# Altium PCB JS.Y1813.MCU.V1.0.PcbDoc (part 2 of 2)
Units mm, origin at the board's own origin, x right, y up, seen from the top; angles counter-clockwise.
Board outline 125 x 78 mm, 2 copper layers (Top Layer, Bottom Layer); 192 components, 124 nets, 655 pads, 279 vias.
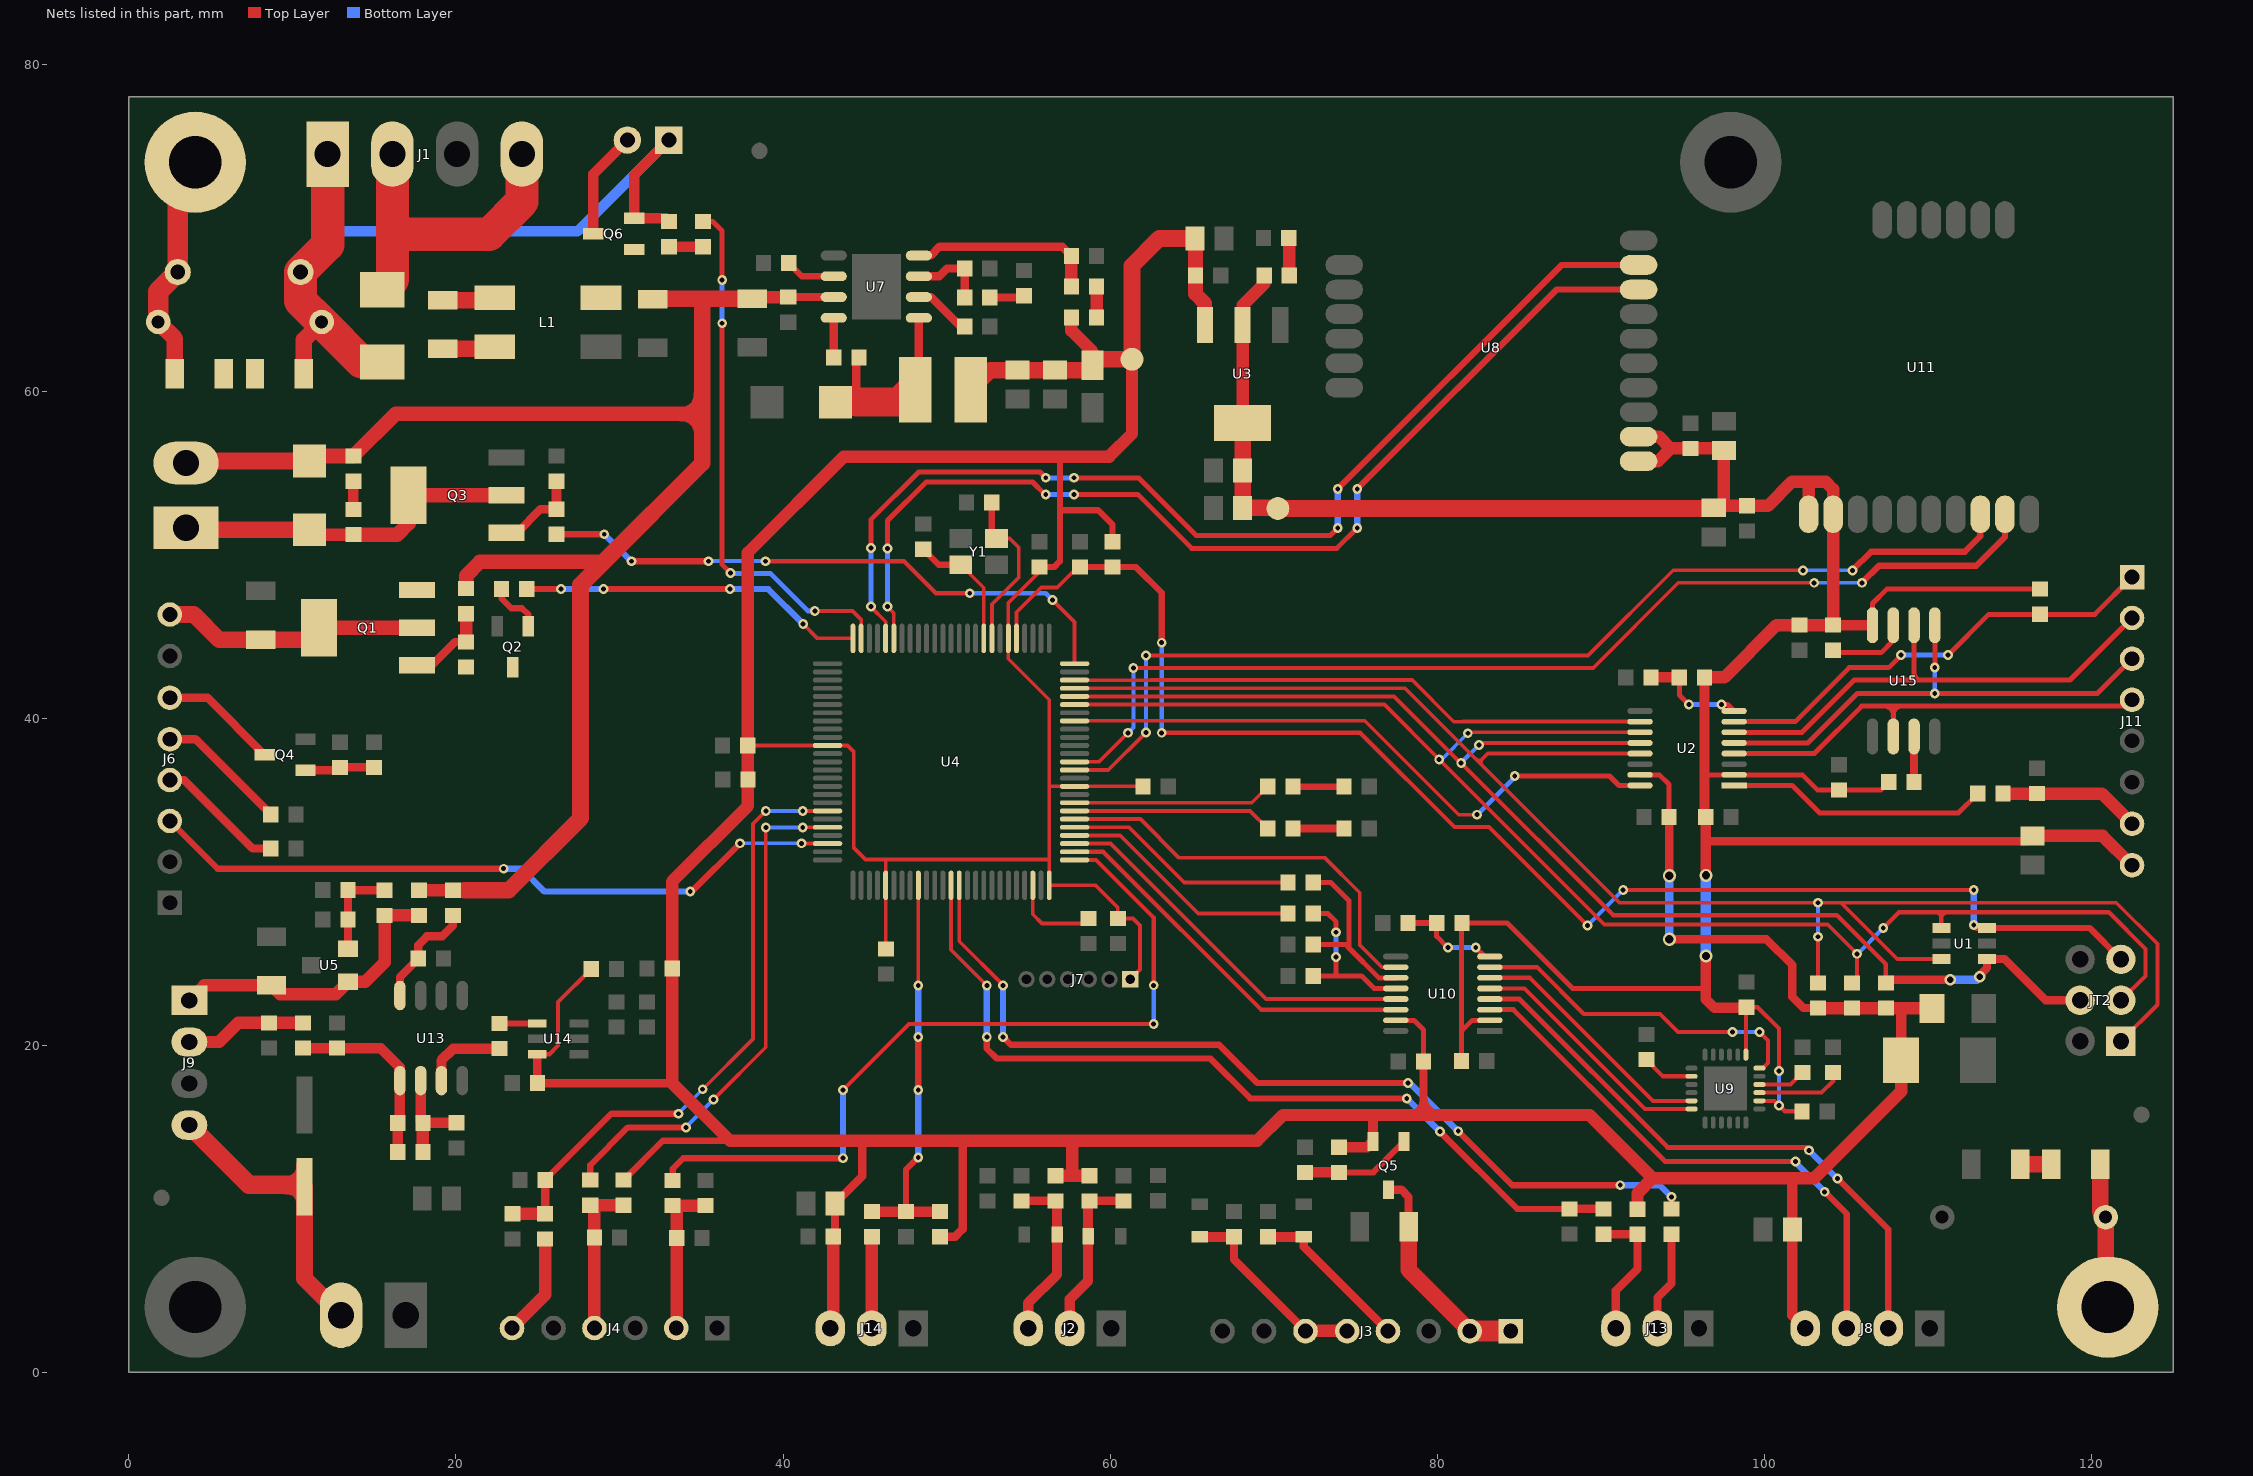
[diagram p2: the nets of this part, all layers, seen from the top]

## Via types
v1: diameter 0.6, hole 0.3, Top Layer to Bottom Layer, 169 vias
v2: diameter 0.7, hole 0.4, Top Layer to Bottom Layer, 88 vias
v3: diameter 0.8, hole 0.5, Top Layer to Bottom Layer, 22 vias

## Nets (pads, with @x,y where several pads share a name; then routed paths per layer and width w, separated by ;. In a path a pad name is that pad's centre, name@x,y a point inside that pad or via, vN(x,y) a via of type N, cw(c..) or ccw(c..) an arc to the next point about the centre after c; other vN are vias at no path point) (continued)
MCU_MISO: JT2.1 R42.2 U1.6 U2.13 U4.22 | length 103.3
  Top Layer w0.152: 82.404,37.512 ccw(c82.557,37.69) 82.734,37.538 ; 82.76,37.462 ccw(c82.938,37.309) 82.785,37.131
  Top Layer w0.229: U4.22@57.823,41.838 78.027,41.838 82.874,36.991 91.141,28.724 v1(103.283,28.724) 104.68,28.724 ; 82.874,36.992 82.557,37.309 83.092,37.845 U2.13@92.402,37.845 ; R42.2@103.28,23.823 103.28,26.638 v1(103.283,26.641) ; U1.6@110.82,25.278 108.126,25.278 104.68,28.724 ; 124.035,22.487 124.035,26.209 121.52,28.724 104.68,28.724
  Top Layer w0.254: JT2.1@121.807,20.259 124.035,22.487
  Bottom Layer w0.229: v1(103.283,26.641) v1(103.283,28.724)
MCU_MISO_OUT: J11.4 U2.4 U15.2 | length 29.3
  Top Layer w0.152: 107.244,40.664 cw(c107.343,40.206) 107.808,40.27 cw(c107.343,40.206) 107.808,40.142 cw(c107.343,40.206) 107.806,40.13 ; 107.957,40.103 cw(c108.415,40.202) 108.401,40.671
  Top Layer w0.305: U2.4@98.152,37.845 103.056,37.845 105.95,40.738 107.88,40.738 ; U15.2@107.88,38.894 U15.2@107.884,38.891 107.884,40.735 107.88,40.738 ; J11.4@122.485,41.136 122.087,40.738 107.88,40.738
MCU_MOSI: JT2.4 R43.2 U1.1 U2.12 U4.21 | length 83
  Top Layer w0.254: U4.21@57.823,41.338 77.359,41.338 v1@81.452,37.246 ; v1(81.464,37.258) 90.761,27.962 104.426,27.962 107.423,24.965 107.423,23.845 R43.2@107.445,23.823 R43.2@107.449,23.827 ; v1(82.557,38.376) 82.675,38.495 U2.12@92.402,38.495 U2.12@92.348,38.549
  Top Layer w0.508: R43.2@107.449,23.827 107.64,24.018 v2(111.357,24.018) ; v2(113.186,24.196) 113.186,24.298 113.62,24.733 U1.1@113.62,25.278 114.694,25.278 117.213,22.759 JT2.4@119.307,22.759
  Bottom Layer w0.254: v1(81.464,37.258) 81.464,37.284 v1(82.557,38.376)
  Bottom Layer w0.508: v2(111.357,24.018) 113.008,24.018 v2(113.186,24.196)
MCU_MOSI_OUT: J11.3 U2.5 U15.5 | length 30.6
  Top Layer w0.305: U2.5@98.152,38.495 102.665,38.495 105.696,41.526 v1(110.42,41.526) 120.375,41.526 J11.3@122.485,43.636 ; v1(110.42,43.1) 110.424,43.104 U15.5@110.424,45.691
  Bottom Layer w0.305: v1(110.42,41.526) v1(110.42,43.1)
MCU_ORI_GPIO_SCK: R16.2 U4.5 | length 14.5
  Top Layer w0.229: U4.5@57.823,33.338 61.153,33.338 64.531,29.961 R16.2@70.882,29.961
MCU_ORI_GPIO_SDA: R19.2 U4.4 | length 15
  Top Layer w0.229: U4.4@57.823,32.838 60.612,32.838 65.392,28.058 R19.2@70.882,28.058
MCU_RESET: C14.2 JT2.5 R17.1 U1.3 U4.30 | length 88.3
  Top Layer w0.229: U4.30@54.273,44.888 54.273,46.491 55.785,48.003 56.769,48.003 58.02,49.253 C14.2@58.158,49.253
  Top Layer w0.254: v1(63.151,39.113) 75.292,39.113 81.058,33.347 83.166,33.347 v1(89.186,27.327) ; v1(91.37,29.511) v1(112.808,29.511)
  Top Layer w0.381: C14.2@58.158,49.253 R17.1@60.139,49.253 61.57,49.253 63.151,47.672 v1(63.151,44.624) v1@63.151,44.548 ; v1(112.808,27.352) 112.982,27.178 U1.3@113.62,27.178 119.888,27.178 JT2.5@121.807,25.259
  Bottom Layer w0.254: v1(63.151,39.113) v1@63.151,44.548 ; v1(89.186,27.327) v1(91.37,29.511)
  Bottom Layer w0.381: v1(112.808,27.352) v1(112.808,29.511)
MCU_SCK: JT2.3 R44.2 U1.4 U2.11 U4.20 | length 94.5
  Top Layer w0.152: 110.42,28.089 cw(c110.471,27.784) 110.776,27.835 ; 110.852,27.657 cw(c111.22,27.721) 111.157,28.089
  Top Layer w0.229: U4.20@57.823,40.838 76.767,40.838 v1(80.118,37.487) 90.215,27.39 103.88,27.39 v1(105.671,25.6) 105.671,24.131 R44.2@105.362,23.823 ; v1(81.871,39.087) 81.928,39.145 U2.11@92.402,39.145
  Top Layer w0.254: v1(107.271,27.175) 108.236,28.14 110.776,28.14 ; U1.4@110.82,27.178 110.82,28.095 110.776,28.14 ; JT2.3@121.807,22.759 123.298,24.25 123.298,25.905 121.063,28.14 110.776,28.14
  Bottom Layer w0.229: v1(80.118,37.487) 80.271,37.487 v1(81.871,39.087)
  Bottom Layer w0.254: v1(105.671,25.6) 105.696,25.6 v1(107.271,27.175)
MCU_SCK_OUT: J11.2 U2.6 U15.6 | length 32.2
  Top Layer w0.254: 108.693,42.364 ccw(c108.661,42.853) 109.151,42.833 ; 109.684,42.313 cw(c109.703,42.865) 109.536,42.338 cw(c109.703,42.865) 109.154,42.801 cw(c109.703,42.865) 109.151,42.833 ; 109.151,42.833 ccw(c108.661,42.853) 109.15,42.884 ccw(c109.703,42.865) 109.151,42.833
  Top Layer w0.305: U2.6@98.152,39.145 102.299,39.145 105.493,42.338 109.176,42.338 ; U15.6@109.154,45.691 109.154,42.801 109.154,42.36 109.176,42.338 ; J11.2@122.485,46.136 118.688,42.338 109.536,42.338 109.176,42.338
MCU_SS: U2.10 U4.23 | length 35.6
  Top Layer w0.229: U4.23@57.823,42.338 57.831,42.33 62.484,42.33 62.491,42.338 78.468,42.338 81.011,39.795 81.561,39.795 81.573,39.806 92.39,39.806 U2.10@92.402,39.795
MCU_SS_OUT: J11.1 R6.2 U2.7 | length 28
  Top Layer w0.305: U2.7@98.152,39.795 101.882,39.795 105.188,43.1 107.601,43.1 v1(108.363,43.862) ; v1(111.233,43.862) 113.732,46.361 R6.2@116.845,46.361 120.21,46.361 J11.1@122.485,48.636
  Bottom Layer w0.305: v1(108.363,43.862) v1(111.233,43.862)
MOT_EN: R48.2 U4.71 | length 31.9
  Top Layer w0.229: v1(35.744,16.684) 38.945,19.885 v1(38.945,33.321) ; v1(41.205,33.321) 41.222,33.338 U4.71@42.723,33.338
  Top Layer w0.381: R48.2@28.21,11.768 28.21,12.681 30.512,14.983 v1(34.068,14.983)
  Bottom Layer w0.229: v1(34.068,14.983) 34.068,15.008 v1(35.744,16.684) ; v1(38.945,33.321) v1(41.205,33.321)
MOT_FG: C4.2 R4.2 R45.2 U4.69 | length 38.4
  Top Layer w0.229: v1(35.084,17.319) 38.157,20.393 38.157,33.551 v1(38.945,34.337) ; v1(41.205,34.337) U4.69@42.723,34.338
  Top Layer w0.381: C4.2@25.457,11.774 29.504,15.821 v1(33.611,15.821)
  Top Layer w0.508: R4.2@25.451,9.711 25.457,9.717 C4.2@25.457,11.774
  Top Layer w0.762: R45.2@23.46,9.711 R4.2@25.451,9.711
  Bottom Layer w0.229: v1(33.611,15.821) 33.611,15.846 v1(35.084,17.319) ; v1(38.945,34.337) v1(41.205,34.337)
MOT_VSR: R3.2 U4.1 | length 49.1
  Top Layer w0.254: v1(43.669,17.269) 47.708,21.307 62.658,21.307 v1(62.662,21.311) ; U4.1@57.823,31.338 59.137,31.338 62.662,27.813 v1(62.662,23.673)
  Top Layer w0.381: R3.2@33.249,11.743 33.249,12.461 33.89,13.103 v1(43.669,13.103)
  Bottom Layer w0.254: v1@62.662,21.285 v1(62.662,21.311) v1(62.662,23.673)
  Bottom Layer w0.381: v1(43.669,13.103) v1(43.669,17.269)
NetC2_2: C2.2 J4.2 R3.1 R29.2 | length 9.6
  Top Layer w0.762: J4.2@33.452,2.732 J4.2@33.466,2.718 33.503,2.754 C2.2@33.503,8.22 33.503,9.949 R3.1@33.249,10.203 R29.2@35.265,10.203
NetC8_2: C8.2 R12.1 U2.8 | length 6.6
  Top Layer w0.305: R12.1@94.799,42.507 94.799,41.424 v1(95.384,40.84) ; v1(97.39,40.84) 97.757,40.84 U2.8@98.152,40.445
  Top Layer w0.635: C8.2@93.063,42.507 R12.1@94.799,42.507
  Bottom Layer w0.305: v1(95.384,40.84) v1(97.39,40.84)
NetC10_1: C10.1 J3.1 J3.2 Q5.3 | length 13.7
  Top Layer w0.508: Q5.3@77.02,11.176 77.804,11.176 78.248,10.731 C10.1@78.248,8.915
  Top Layer w1.016: C10.1@78.248,8.915 78.248,6.281 81.989,2.54 J3.2@81.989,2.531
  Top Layer w1.143: J3.1@84.489,2.531 J3.1@84.489,2.54
  Top Layer w1.27: J3.2@81.989,2.54 J3.1@84.489,2.54
NetC11_2: C11.2 R51.1 | length 1.7
  Top Layer w0.635: R51.1@13.726,52.772 C11.2@13.726,54.5
NetC15_2: C15.2 U4.98 | length 5.5
  Top Layer w0.229: U4.98@55.273,29.788 55.273,28.013 55.837,27.45 58.369,27.45 C15.2@58.682,27.762
NetC24_1: C24.1 J9.1 R64.1 R67.2 U5.1 | length 18.3
  Top Layer w0.762: J9.1@3.694,22.749 4.616,23.671 C24.1@8.719,23.671 9.25,23.139 12.65,23.139 U5.1@13.392,23.881 14.443,23.881 15.642,25.081 R67.2@15.642,27.949 R64.1@17.728,27.949
NetC31_1: C31.1 D9.2 L2.1 U7.1 | length 11.1
  Top Layer w0.508: 44.482,59.331 44.482,61.914 C31.1@44.642,62.074 ; L2.1@47.809,60.093 48.301,60.585 U7.1@48.301,64.487
  Top Layer w1.778: 44.482,59.331 47.047,59.331 L2.1@47.809,60.093
NetC31_2: C31.2 U7.8 | length 2.4
  Top Layer w0.508: U7.8@43.101,64.487 43.101,62.075 C31.2@43.102,62.074
NetC37_1: C37.1 U7.2 | length 3.5
  Top Layer w0.508: U7.2@48.301,65.757 49.048,65.757 50.852,63.954 C37.1@51.103,63.954
NetC38_2: C38.2 J4.4 R37.2 R48.1 | length 9.7
  Top Layer w0.762: J4.4@28.466,2.718 28.454,2.731 28.454,8.234 C38.2@28.465,8.246 28.465,9.973 R48.1@28.21,10.228 R37.2@30.251,10.228
NetC39_1: C39.1 R28.2 | length 2.1
  Top Layer w0.508: C39.1@52.643,65.732 54.607,65.732 R28.2@54.718,65.843
NetC39_2: C39.2 R27.2 U7.3 | length 4.8
  Top Layer w0.508: U7.3@48.301,67.027 49.542,67.027 50.025,67.51 R27.2@51.103,67.51 C39.2@51.103,65.732
NetC49_2: C49.2 R67.1 R69.1 U5.2 | length 5.8
  Top Layer w0.508: U5.2@13.392,25.913 R69.1@13.392,27.709 C49.2@13.392,29.495 15.636,29.495 R67.1@15.642,29.489
NetC57_2: C57.2 U9.20 | length 3.2
  Top Layer w0.254: C57.2@92.782,19.131 93.802,18.111 U9.20@95.55,18.111
NetC59_1: C59.1 U9.10 | length 2.9
  Top Layer w0.254: U9.10@99.7,17.611 101.6,17.611 C59.1@102.337,18.348
NetC61_2: C61.2 R89.1 U10.8 | length 6.3
  Top Layer w0.305: R89.1@79.966,27.489 79.966,26.667 v1(80.652,25.981) ; v1(82.353,25.981) 82.902,25.432 U10.8@83.218,25.432
  Top Layer w0.381: C61.2@78.213,27.489 R89.1@79.966,27.489
  Bottom Layer w0.305: v1(80.652,25.981) v1(82.353,25.981)
NetC66_2: C66.2 R92.2 U13.8 | length 6.8
  Top Layer w0.508: U13.8@16.573,23.048 16.573,24.177 C66.2@17.696,25.3 17.696,26.144 18.218,26.667 19.158,26.667 19.811,27.319 R92.2@19.811,27.949
NetC70_1: C70.1 R97.1 R101.2 R102.2 U13.1 | length 11.6
  Top Layer w0.635: R97.1@10.641,19.837 R101.2@12.724,19.837 15.396,19.837 16.573,18.66 U13.1@16.573,17.848 16.573,15.396 C70.1@16.438,15.261 R102.2@16.438,13.489
NetC70_2: C70.2 R99.2 R102.1 U13.2 | length 6.5
  Top Layer w0.635: U13.2@17.843,17.848 17.843,15.396 C70.2@17.964,15.275 ; C70.2@17.978,15.261 C70.2@17.964,15.275 ; R99.2@20.019,15.275 C70.2@17.964,15.275
  Top Layer w0.762: R102.1@17.978,13.489 C70.2@17.978,15.261
NetD1_1: D1.1 J2.2 R1.1 R2.1 | length 10.4
  Top Layer w0.508: R1.1@58.744,10.494 R2.1@60.827,10.494
  Top Layer w0.635: J2.2@57.524,2.702 57.524,4.479 58.649,5.603 D1.1@58.649,8.339 58.649,10.399 R1.1@58.744,10.494
NetD2_1: D2.1 J3.5 J3.6 R14.1 | length 12.3
  Top Layer w0.508: R14.1@67.576,8.306 67.576,6.913 71.949,2.54 J3.6@71.949,2.531
  Top Layer w0.635: D2.1@65.468,8.287 67.544,8.287 67.551,8.28 R14.1@67.576,8.306
  Top Layer w0.762: J3.6@71.949,2.54 74.489,2.54 J3.5@74.489,2.531
NetD3_1: D3.1 J5.1 Q3.2 R51.2 | length 21.8
  Top Layer w0.762: D3.1@11.04,51.537 11.344,51.232 R51.2@13.726,51.232 ; Q3.2@17.098,52.931 Q3.2@17.098,53.645
  Top Layer w0.889: R51.2@13.726,51.232 16.418,51.232 17.098,51.911 Q3.2@17.098,52.931 ; Q3.2@17.098,53.645 Q3.2@23.098,53.645
  Top Layer w1.016: J5.1@3.494,51.651 3.609,51.537 D3.1@11.04,51.537
NetD7_1: D7.1 J3.4 R13.1 | length 10.1
  Top Layer w0.508: D7.1@71.843,8.287 71.843,7.676 J3.4@76.989,2.531
  Top Layer w0.635: R13.1@69.659,8.306 69.678,8.287 D7.1@71.843,8.287
NetD11_1: D11.1 J2.3 R40.1 R41.1 | length 10.6
  Top Layer w0.508: R41.1@54.578,10.494 R40.1@56.661,10.494
  Top Layer w0.635: J2.3@54.984,2.702 54.984,4.251 56.752,6.018 D11.1@56.752,8.439 56.752,10.403 R40.1@56.661,10.494
NetJ4_6: J4.6 R4.1 | length 6.3
  Top Layer w0.762: J4.6@23.426,2.718 25.451,4.742 R4.1@25.451,8.171 R4.1@25.458,8.163
NetJ6_6: J6.6 Q4.3 | length 7.2
  Top Layer w0.508: J6.6@2.507,41.266 4.805,41.266 Q4.3@8.299,37.771
NetJ11_7: J11.7 R11.2 R39.2 | length 8.7
  Top Layer w0.762: R11.2@114.586,35.393 116.661,35.393 R39.2@116.669,35.401 120.641,35.401 J11.7@122.485,33.556
NetJ12_2: J12.2 Q6.3 | length 6.6
  Top Layer w0.635: Q6.3@28.395,69.617 28.395,73.274 J12.2@30.48,75.358
NetJ13_2: J13.2 R77.1 | length 6.1
  Top Layer w0.508: J13.2@93.462,2.696 93.462,4.578 94.321,5.436 R77.1@94.321,8.456
NetJ13_3: J13.3 R74.1 R75.1 | length 8.4
  Top Layer w0.508: R75.1@90.171,8.456 92.237,8.456 R74.1@92.246,8.447 92.246,6.333 90.922,5.009 J13.3@90.922,2.696
NetJ14_2: J14.2 R79.1 | length 5.6
  Top Layer w0.762: J14.2@45.427,2.702 45.434,2.708 R79.1@45.434,8.299
NetLED1_A: LED1.A R30.2 | length 2.3
  Top Layer w0.762: LED1.A@70.924,69.364 70.957,69.331 R30.2@70.957,67.078
NetLED2_A: LED2.A R38.2 | length 3.1
  Top Layer w0.508: R38.2@71.177,33.258 LED2.A@74.302,33.258
NetLED3_A: LED3.A R53.2 | length 3.1
  Top Layer w0.381: R53.2@71.177,35.817 LED3.A@74.302,35.817
NetQ1_1: Q1.1 R54.1 R55.2 | length 5.3
  Top Layer w0.508: Q1.1@17.613,43.242 18.513,43.242 19.94,44.669 R55.2@20.617,44.669
  Top Layer w0.762: R55.2@20.617,44.669 R54.1@20.617,46.39
NetQ2_1: Q2.1 R47.2 | length 3.3
  Top Layer w0.381: R47.2@22.792,47.905 22.792,47.319 23.378,46.733 24.035,46.733 24.418,46.35 Q2.1@24.418,45.624
NetQ2_3: Q2.3 R55.1
NetQ3_1: Q3.1 R52.2 R56.2 | length 5.4
  Top Layer w0.508: Q3.1@23.098,51.345 23.72,51.345 25.164,52.789 R52.2@26.147,52.789
  Top Layer w0.635: R52.2@26.147,52.789 R56.2@26.147,54.5
NetQ4_1: Q4.1 R58.1 R61.2 | length 4.3
  Top Layer w0.508: Q4.1@10.799,36.821 12.731,36.821 R61.2@12.911,37.001 R58.1@14.986,37.001
NetQ5_1: Q5.1 R62.1 R63.2 | length 6.8
  Top Layer w0.381: R62.1@73.984,12.236 76.081,12.236 Q5.1@77.97,14.126
  Top Layer w0.635: R63.2@71.909,12.236 R62.1@73.984,12.236
NetQ6_1: Q6.1 R76.1 R78.2 | length 2.1
  Top Layer w0.635: R78.2@33.033,68.839 R76.1@35.108,68.839
NetR11_1: R11.1 U2.1 | length 16.1
  Top Layer w0.305: U2.1@98.152,35.895 101.704,35.895 103.388,34.21 111.863,34.21 R11.1@113.046,35.393
NetR23_1: R23.1 R25.2 U7.4 | length 11.7
  Top Layer w0.508: U7.4@48.301,68.297 49.034,68.297 49.575,68.838 57.07,68.838 R25.2@57.631,68.276
  Top Layer w0.762: R23.1@57.631,66.397 R25.2@57.631,68.276
NetR23_2: R23.2 R24.1 | length 1.9
  Top Layer w0.762: R24.1@59.171,64.517 R23.2@59.171,66.397
NetR26_2: R26.2 U7.6 | length 3.1
  Top Layer w0.381: R26.2@40.341,67.832 41.146,67.027 U7.6@43.101,67.027
NetR46_2: R46.2 R50.1 | length 1.9
  Top Layer w1.016: R46.2@115.643,12.725 R50.1@117.556,12.725
NetR65_2: R65.2 R66.1
NetR87_2: R87.2 U9.9 | length 5.3
  Top Layer w0.254: U9.9@99.7,17.111 103.506,17.111 104.212,17.817 R87.2@104.212,18.348
NetR95_1: R95.1 U13.3 | length 5.1
  Top Layer w0.635: U13.3@19.113,17.848 19.113,19.078 19.841,19.805 R95.1@22.657,19.805
NetR103_2: R103.2 U15.7 | length 5
  Top Layer w0.305: R103.2@104.213,44.159 104.358,44.015 107.144,44.015 107.884,44.755 U15.7@107.884,45.691
NetR104_1: R104.1 U15.3 | length 2.8
  Top Layer w0.508: R104.1@109.15,36.095 109.154,36.098 U15.3@109.154,38.891
ORI_INT: U4.6 U10.10 | length 25.3
  Top Layer w0.229: U4.6@57.823,33.838 61.847,33.838 64.218,31.467 73.133,31.467 75.267,29.334 75.267,26.133 76.618,24.782 U10.10@77.468,24.782
ORI_INT': U9.12 U10.7 | length 20.9
  Top Layer w0.254: U10.7@83.218,24.782 86.092,24.782 88.957,21.917 93.631,21.917 94.723,20.825 v1(98.051,20.825) ; U9.12@99.7,18.611 99.926,18.611 100.235,18.92 100.235,20.291 v1(99.702,20.825)
  Bottom Layer w0.254: v1(98.051,20.825) v1(99.702,20.825)
ORI_SCK: R15.1 R16.1 U10.11 | length 11.4
  Top Layer w0.305: R15.1@72.422,26.156 74.406,26.156 74.606,25.955 ; R16.1@72.422,29.961 73.497,29.961 74.606,28.851 74.606,25.955 ; U10.11@77.468,24.132 76.429,24.132 74.606,25.955
ORI_SCK': U9.23 U10.6 | length 15.4
  Top Layer w0.254: U10.6@83.218,24.132 85.675,24.132 93.197,16.611 U9.23@95.55,16.611
ORI_SDA: R18.1 R19.1 U10.12 | length 10.3
  Top Layer w0.305: R18.1@72.422,24.254 73.819,24.254 ; R19.1@72.422,28.058 73.316,28.058 73.819,27.556 v1(73.819,26.921) ; v1(73.819,25.397) 73.819,24.254 ; U10.12@77.468,23.482 76.14,23.482 75.368,24.254 73.819,24.254
  Bottom Layer w0.305: v1(73.819,25.397) v1(73.819,26.921)
ORI_SDA': U9.24 U10.5 | length 15.4
  Top Layer w0.254: U10.5@83.218,23.482 85.334,23.482 92.706,16.111 U9.24@95.55,16.111
PE_GNDA: C40.1 pad.0@4.057,74.002 R66.2 RV1.1 | length 14.3
  Top Layer w1.016: C40.1@1.788,64.237 2.809,63.216 R66.2@2.809,61.062
  Top Layer w1.27: C40.1@1.788,64.237 1.788,66.085 RV1.1@2.988,67.285 2.988,72.932 pad.0@4.057,74.002
PE_GNDB: C27.2 pad.0@121,4 R50.2 | length 8.9
  Top Layer w1.016: R50.2@120.536,12.725 120.536,9.835 C27.2@120.871,9.5 120.871,4.129 pad.0@121,4
PM_RXD: U4.3 U10.13 | length 23.6
  Top Layer w0.254: U4.3@57.823,32.338 60.02,32.338 69.525,22.832 U10.13@77.468,22.832
PM_TXD: U4.2 U10.14 | length 23.6
  Top Layer w0.254: U4.2@57.823,31.838 59.58,31.838 69.235,22.182 U10.14@77.468,22.182
PMS_RXD: J8.2 U10.4 | length 36.2
  Top Layer w0.305: U10.4@83.218,22.832 85.019,22.832 94.088,13.763 102.546,13.763 v1(102.724,13.586)
  Top Layer w0.381: v1(104.477,11.858) 107.577,8.758 J8.2@107.577,2.698
  Bottom Layer w0.305: v1@104.451,11.858 v1(104.477,11.858)
  Bottom Layer w0.381: v1(102.724,13.586) v1@104.451,11.858
PMS_TXD: J8.3 U10.3 | length 34
  Top Layer w0.305: U10.3@83.218,22.182 84.653,22.182 93.936,12.9 v1(101.911,12.9)
  Top Layer w0.381: v1(103.689,11.046) 105.037,9.698 J8.3@105.037,2.698
  Bottom Layer w0.381: v1(101.911,12.9) 101.911,12.824 v1(103.689,11.046)
PRE_PORT: J6.3 U4.73 | length 43.2
  Top Layer w0.229: v1(41.129,32.356) 41.147,32.338 U4.73@42.723,32.338
  Top Layer w0.381: J6.3@2.507,33.726 5.426,30.807 v1(22.917,30.807) ; v1(34.322,29.41) 34.424,29.41 v1(37.37,32.356)
  Bottom Layer w0.229: v1(37.37,32.356) v1(41.129,32.356)
  Bottom Layer w0.381: v1(22.917,30.807) 24.01,30.807 25.407,29.41 v1(34.322,29.41)
PVALUE_CTRL_SIG: R95.2 U14.1 | length 2.3
  Top Layer w0.381: R95.2@22.657,21.345 22.665,21.337 R95.2@22.919,21.337 ; R95.2@22.911,21.345 R95.2@22.919,21.337 ; U14.1@24.978,21.337 R95.2@22.919,21.337
PVALUE_CTRL_SIGOUT: C68.1 J9.2 R97.2 | length 7.4
  Top Layer w0.762: J9.2@3.694,20.209 5.512,20.209 6.681,21.377 C68.1@8.566,21.377 R97.2@10.641,21.377
PWR24V_CTRL: R76.2 U4.49 | length 32.8
  Top Layer w0.229: v1(41.942,46.555) 44.253,46.555 44.773,46.035 U4.49@44.773,44.888
  Top Layer w0.305: R76.2@35.108,70.379 35.695,70.379 36.278,69.796 v1(36.278,66.799) ; v1(36.278,64.157) 36.278,49.4 v1(36.786,48.892)
  Bottom Layer w0.305: v1(36.278,64.157) v1(36.278,66.799) ; v1(36.786,48.892) 36.832,48.846 39.245,48.846 41.536,46.555 v1(41.942,46.555)
PWR_GND: C25.2 C40.2 D8.1 J1.1 J12.1 L1.2 Q6.2 R65.1 R78.1 RV1.2 | length 56.8
  Top Layer w0.635: J12.1@33.02,75.358 30.895,73.234 Q6.2@30.895,70.567 32.845,70.567 R78.1@33.033,70.379
  Top Layer w1.016: R65.1@10.691,61.062 10.691,63.14 C40.2@11.788,64.237 ; C25.2@19.186,62.592 22.244,62.592 L1.2@22.37,62.719
  Top Layer w2.032: J1.1@12.153,74.498 12.153,68.95 RV1.2@10.488,67.285 10.488,65.537 C40.2@11.788,64.237 14.243,61.782 D8.1@15.495,61.782
  Bottom Layer w0.635: RV1.2@10.488,67.285 12.973,69.77 27.432,69.77 J12.1@33.02,75.358
PWRSW_DETECT: C51.1 R75.2 U4.88 | length 52.7
  Top Layer w0.229: U4.88@50.273,29.788 50.273,25.855 v1(52.458,23.669)
  Top Layer w0.381: v1(52.458,20.52) 52.458,19.809 53.067,19.199 66.123,19.199 68.561,16.761 v1(78.137,16.761) ; v1(80.169,14.729) 84.893,10.004 C51.1@88.094,10.004
  Top Layer w0.508: C51.1@88.094,10.004 90.163,10.004 R75.2@90.171,9.996
  Bottom Layer w0.381: v1(52.458,20.52) v1(52.458,23.669) ; v1(78.137,16.761) v1(80.169,14.729)
PWRSW_LED: R77.2 U4.89 | length 56
  Top Layer w0.229: U4.89@50.773,29.788 50.773,26.371 53.448,23.696 v1(53.448,23.669)
  Top Layer w0.381: v1(53.448,20.52) 53.931,20.037 66.656,20.037 68.993,17.7 v1(78.213,17.7) ; v1(81.287,14.754) 84.589,11.452 v1(91.193,11.452) ; v1(94.317,10.741) 94.321,10.737 R77.2@94.321,9.996
  Bottom Layer w0.381: v1(53.448,20.52) v1(53.448,23.669) ; v1(78.213,17.7) 78.322,17.7 81.268,14.754 v1(81.287,14.754) ; v1(91.193,11.452) 93.606,11.452 v1(94.317,10.741)
RFID_RST: U2.16 U4.18 | length 38.2
  Top Layer w0.229: U4.18@57.823,39.838 57.842,39.857 75.564,39.857 81.312,34.109 v1(82.43,34.109)
  Top Layer w0.305: v1@84.716,36.369 84.741,36.395 v1(84.741,36.474) 90.537,36.474 91.116,35.895 U2.16@92.402,35.895
  Bottom Layer w0.305: v1(82.43,34.109) 82.455,34.109 v1@84.716,36.369
STATEA_LED: R38.1 U4.7 | length 12.3
  Top Layer w0.229: U4.7@57.823,34.338 68.558,34.338 R38.1@69.637,33.258
STATEB_LED: R53.1 U4.8 | length 12.2
  Top Layer w0.229: U4.8@57.823,34.838 68.658,34.838 R53.1@69.637,35.817
SUB_PWR_CTRL: R47.1 U4.50 | length 21.2
  Top Layer w0.229: v1(41.231,45.767) 42.11,44.888 U4.50@44.273,44.888
  Top Layer w0.381: R47.1@24.332,47.905 26.419,47.905 v1(26.423,47.901) ; v1(29.013,47.901) v1(36.76,47.901)
  Bottom Layer w0.381: v1(26.423,47.901) v1(29.013,47.901) ; v1(36.76,47.901) 39.097,47.901 v1(41.231,45.767)
SUB_SCK: J6.5 R35.1 | length 8.1
  Top Layer w0.508: J6.5@2.507,38.726 4.062,38.726 R35.1@8.679,34.109
SUB_SDA: J6.4 R36.1 | length 7.9
  Top Layer w0.508: J6.4@2.507,36.226 3.376,36.226 7.568,32.034 R36.1@8.679,32.034
SWVALUE_OUT1: R52.1 U4.25 | length 36.5
  Top Layer w0.254: v1(38.919,49.603) 47.403,49.603 49.359,47.647 v1(51.416,47.647) ; v1(56.471,47.241) 57.823,45.888 U4.25@57.823,43.338
  Top Layer w0.381: R52.1@26.147,51.249 29.06,51.249 v1(29.064,51.254) ; v1(30.741,49.603) v1(35.44,49.603)
  Bottom Layer w0.254: v1(35.44,49.603) 35.46,49.623 38.899,49.623 v1(38.919,49.603) ; v1(51.416,47.647) 56.064,47.647 v1(56.471,47.241)
  Bottom Layer w0.381: v1(29.064,51.254) 30.715,49.603 v1(30.741,49.603)
TEMP_DQ: C54.2 R79.2 R80.1 U4.84 | length 24.4
  Top Layer w0.229: v1(48.267,23.669) 48.273,23.676 U4.84@48.273,29.788
  Top Layer w0.381: C54.2@47.509,9.839 47.509,12.396 v1(48.267,13.154) ; v1(48.267,17.269) v1(48.267,20.52)
  Top Layer w0.635: R79.2@45.434,9.839 C54.2@47.509,9.839 R80.1@49.592,9.839
  Bottom Layer w0.381: v1(48.267,13.154) v1(48.267,17.269) ; v1(48.267,20.52) v1(48.267,23.669)
VCC_+3.3V: C5.1 C9.2 C44.2 C45.2 C46.2 C47.2 C55.1 C58.2 C60.2 C62.2 C63.2 C71.2 J11.8 R5.2 R6.1 R12.2 R30.1 R89.2 R103.1 R104.2 TP2.1 U2.2 U3.2 U8.7 U8.8 U9.8 U9.13 U10.2 U11.7 U11.8 U15.8 | length 198.1
  Top Layer w0.254: U9.13@98.875,19.436 98.875,22.306 C60.2@98.903,22.334 99.589,22.334 100.895,21.028 v1(100.895,18.437) ; U9.8@99.7,16.611 100.613,16.611 v1(100.895,16.329) 101.252,15.972 C58.2@102.312,15.972
  Top Layer w0.305: C55.1@81.486,19.05 81.486,27.469 R89.2@81.506,27.489 84.274,27.489 88.272,23.492 96.425,23.492 ; 81.506,20.891 82.147,21.532 U10.2@83.218,21.532 ; 96.339,36.598 96.393,36.545 U2.2@98.152,36.545 102.32,36.545 103.24,35.625 R5.2@104.569,35.625 107.14,35.625 R104.2@107.61,36.095 ; U15.8@106.614,45.691 106.614,47.025 107.489,47.901 R6.1@116.845,47.901
  Top Layer w0.508: 96.417,32.382 96.519,32.483 116.061,32.483 C9.2@116.389,32.811
  Top Layer w0.635: R12.2@96.339,42.507 96.339,36.598 96.339,34.053 C5.1@96.417,33.976 96.417,32.382 96.417,30.408 v3(96.425,30.4) ; v3(96.425,25.473) 96.425,23.492 96.425,22.831 96.95,22.306 C60.2@98.875,22.306 ; R103.1@104.213,45.699 104.222,45.691 U15.8@106.614,45.691
  Top Layer w0.762: U3.2@68.097,58.058 U3.2@68.097,64.058 68.097,65.249 69.417,66.57 R30.1@69.417,67.078 ; TP2.1@70.215,52.869 TP2.1@70.256,52.829 ; U8.7@92.313,55.719 93.491,55.719 94.275,56.504 ; U8.8@92.313,57.219 93.56,57.219 94.275,56.504 ; R12.2@96.339,42.507 97.559,42.507 100.751,45.699 C71.2@102.139,45.699 R103.1@104.213,45.699 104.209,45.703 U11.8@104.209,52.477 104.209,54.007 103.742,54.475 102.709,54.475 ; C46.2@96.908,52.876 97.416,52.876 C46.2@97.532,52.992 ; U11.7@102.709,52.477 102.709,54.475 ; C9.2@116.389,32.811 120.69,32.811 J11.8@122.485,31.016 ; 94.275,56.504 C63.2@95.488,56.504 97.426,56.504 C62.2@97.545,56.385 97.532,56.372 C46.2@97.532,52.992 ; C46.2@97.532,52.992 C47.2@98.94,52.992 100.211,52.992 101.693,54.475 102.709,54.475
  Top Layer w1.016: U3.2@68.097,58.058 C44.2@68.097,55.155 ; TP2.1@70.215,52.869 C45.2@68.098,52.869 C44.2@68.098,55.154 ; TP2.1@70.256,52.829 96.86,52.829 C46.2@96.908,52.876 ; C44.2@68.097,55.155 C44.2@68.098,55.154
  Bottom Layer w0.254: v1(100.895,16.329) v1(100.895,18.437)
  Bottom Layer w0.635: v3(96.425,25.473) v3(96.425,30.4)
VCC_+5V: C3.1 C6.1 C7.2 C13.2 C17.1 C20.2 C21.2 C22.2 C32.2 C33.2 C34.1 C42.2 C43.2 C52.2 C53.1 C56.1 C69.2 F1.1 J7.1 J8.4 J14.3 L2.2 Q5.2 R1.2 R17.2 R24.2 R37.1 R40.2 R42.1 R43.1 R44.1 R57.2 R59.2 R60.2 R62.2 R74.2 R80.2 TP1.1 U2.15 U3.3 U4.10 U4.31 U4.61 U4.80 U4.100 U10.15 U14.3 | length 365.9
  Top Layer w0.203: 56.572,35.838 ccw(c56.584,36.154) 56.596,35.838
  Top Layer w0.229: C20.2@37.84,38.325 37.853,38.338 U4.61@42.723,38.338 43.936,38.338 44.33,37.944 44.33,32.077 45.041,31.366 56.273,31.366 ; 46.273,31.353 U4.80@46.273,29.788 46.273,25.914 C22.2@46.285,25.902 ; C13.2@55.683,49.253 55.683,48.968 53.773,47.058 U4.31@53.773,44.888 53.773,43.639 56.273,41.139 56.273,35.838 ; 56.572,35.838 56.273,35.838 ; 56.596,35.838 U4.10@57.823,35.838 62.004,35.838 C21.2@62.006,35.836 ; J7.1@61.23,24.046 61.824,24.64 61.824,27.33 61.392,27.762 C7.2@60.468,27.762 60.468,28.432 59.112,29.788 U4.100@56.273,29.788 56.273,31.366 ; 56.273,31.366 56.273,35.838
  Top Layer w0.254: U14.3@24.978,19.458 25.716,19.458 26.245,19.986 26.245,22.653 R60.2@28.269,24.677 ; 57.715,52.727 ccw(c57.88,53.629) 57.728,52.725 cw(c57.893,51.762) 57.741,52.727 ; 78.188,15.77 ccw(c78.061,16.761) 79.051,16.888 ; 79.28,16.735 ccw(c80.271,16.862) 80.398,15.872
  Top Layer w0.305: U10.15@77.468,21.532 78.576,21.532 79.159,20.949 C56.1@79.159,19.025 ; U2.15@92.402,36.545 93.583,36.545 94.179,35.948 C6.1@94.179,33.976 ; v3@94.179,30.386 v3(94.19,30.375)
  Top Layer w0.381: R37.1@30.251,11.768 32.653,14.17 36.76,14.17 ; C13.2@55.683,49.253 56.579,49.253 56.928,49.603 56.928,52.727 ; 56.928,56.004 56.928,52.727 ; 57.715,52.727 56.928,52.727 ; 57.741,52.727 59.265,52.727 60.139,51.852 R17.2@60.139,50.793
  Top Layer w0.508: U14.3@24.978,19.458 C69.2@24.978,17.688 33.198,17.688 33.22,17.71 ; C52.2@43.066,8.324 43.179,8.438 C53.1@43.179,10.338 44.838,11.996 44.838,14.17 ; R80.2@49.592,8.299 50.524,8.299 50.984,8.76 50.984,14.144 ; C42.2@65.176,69.339 C42.2@65.218,69.296 ; 79.159,15.776 C56.1@79.159,19.025 ; v3@94.179,30.386 C6.1@94.179,33.976 ; v3(94.19,26.489) 100.133,26.489 101.708,24.914 101.708,22.958 102.383,22.283 R42.1@103.28,22.283
  Top Layer w0.635: R62.2@73.984,13.776 75.721,13.776 Q5.2@76.07,14.126 76.07,15.728 76.054,15.745 ; 101.683,11.884 101.71,11.857 C17.1@101.71,8.736 101.71,3.486 J8.4@102.497,2.698 ; C3.1@108.363,19.098 108.363,22.258
  Top Layer w0.762: J14.3@42.887,2.702 43.066,2.88 C52.2@43.066,8.324 ; R40.2@56.661,12.034 57.69,12.034 ; R24.2@57.631,64.517 57.631,63.702 58.909,62.424 C34.1@58.909,61.6 ; 57.69,14.144 57.69,12.034 ; R1.2@58.744,12.034 57.69,12.034 ; TP1.1@61.335,61.954 61.335,57.401 59.938,56.004 56.928,56.004 43.72,56.004 37.84,50.124 C20.2@37.84,38.325 37.84,36.261 R57.2@37.851,36.25 37.851,34.641 33.22,30.01 R59.2@33.22,24.703 33.22,17.71 36.76,14.17 44.838,14.17 68.993,14.17 70.568,15.745 76.054,15.745 89.313,15.745 93.174,11.884 ; R74.2@92.246,9.987 92.246,10.956 93.174,11.884 ; R42.1@103.28,22.283 R44.1@105.362,22.283 R43.1@107.445,22.283 110.247,22.283 F1.1@110.265,22.266 ; C3.1@108.363,19.098 108.363,17.192 103.054,11.884 101.683,11.884 93.174,11.884
  Top Layer w0.889: C42.2@65.218,69.296 C43.2@65.218,67.078 65.218,65.968 65.797,65.39 U3.3@65.797,64.058
  Top Layer w1.016: L2.2@51.476,60.1 52.667,61.291 C33.2@54.337,61.291 56.622,61.291 C32.2@56.623,61.292 58.602,61.292 C34.1@58.909,61.6 59.264,61.954 TP1.1@61.335,61.954 61.335,67.675 62.999,69.339 C42.2@65.176,69.339
  Bottom Layer w0.508: v3(94.19,26.489) v3(94.19,30.375)
VCC_+12V: C11.1 C28.1 C35.2 C36.2 D3.2 J5.2 L1.4 Q1.3 R54.2 R64.2 R92.1 U7.7 | length 103
  Top Layer w0.508: C35.2@40.316,65.757 U7.7@43.101,65.757
  Top Layer w0.635: 33.78,58.476 cw(c33.816,57.439) 34.83,57.655 ; 34.034,58.764 ccw(c33.819,59.778) 34.855,59.814
  Top Layer w0.762: D3.2@11.04,55.737 D3.2@11.343,56.04 ; R64.2@17.728,29.489 R92.1@19.811,29.489 ; C36.2@38.107,65.656 38.208,65.757 C35.2@40.316,65.757
  Top Layer w0.889: D3.2@11.343,56.04 C11.1@13.726,56.04 16.305,58.62 35.059,58.62 ; R92.1@19.811,29.489 20.504,29.489 ; R54.2@20.617,47.93 20.617,48.725 21.47,49.577 29.039,49.577 29.077,49.615
  Top Layer w1.016: J5.2@3.494,55.611 3.619,55.737 D3.2@11.04,55.737 ; 20.504,29.489 23.226,29.489 27.616,33.88 27.616,48.155 29.039,49.577 ; 29.077,49.615 35.059,55.597 35.059,58.62 35.059,65.656 ; C28.1@32.026,65.635 32.046,65.656 35.059,65.656 ; C36.2@38.107,65.656 35.059,65.656
VCC_+24V: C23.1 J9.4 J10.2 | length 19.9
  Top Layer w0.635: 9.521,11.735 ccw(c9.674,12.598) C23.1@10.548,12.671 ; 9.611,11.208 cw(c9.684,10.334) C23.1@10.548,10.182
  Top Layer w1.016: C23.1@10.735,11.356 10.735,5.738 J10.2@12.972,3.5
  Top Layer w1.143: J9.4@3.694,15.129 7.346,11.477 10.065,11.477
VCC_CTRL_+12V: C12.1 J6.8 Q1.2 | length 16
  Top Layer w0.889: Q1.2@11.613,45.542 Q1.2@17.613,45.542
  Top Layer w1.016: J6.8@2.507,46.346 3.975,46.346 5.515,44.806 C12.1@8.068,44.806 10.876,44.806 Q1.2@11.613,45.542
VIN_+12V: C25.1 D8.2 J1.2 J1.4 L1.1 | length 23.4
  Top Layer w1.016: C25.1@19.186,65.572 22.224,65.572 L1.1@22.37,65.719
  Top Layer w2.032: D8.2@15.495,66.202 16.113,66.819 16.113,69.593 ; J1.2@16.113,74.498 16.113,69.593 ; J1.4@24.033,74.498 24.033,71.597 22.028,69.593 16.113,69.593
XTAL1: C19.2 U4.34 Y1.3 | length 8
  Top Layer w0.229: Y1.3@50.862,49.39 52.273,47.978 U4.34@52.273,44.888
  Top Layer w0.381: C19.2@48.571,50.339 49.521,49.39 Y1.3@50.862,49.39 Y1.3@50.7,49.552
XTAL2: C18.2 U4.33 Y1.1 | length 10.1
  Top Layer w0.229: U4.33@52.773,44.888 52.773,46.972 54.413,48.612 54.413,50.441 53.864,50.99 Y1.1@53.062,50.99
  Top Layer w0.381: C18.2@52.762,53.184 52.762,51.289 Y1.1@53.062,50.99
ZIG1_RX: U4.46 U8.15 | length 65.7
  Top Layer w0.229: v1(45.371,46.834) 45.371,46.809 46.273,45.907 U4.46@46.273,44.888 U4.46@46.306,44.888
  Top Layer w0.305: v1(45.371,50.416) 45.371,52.143 48.292,55.064 55.709,55.064 v1(56.064,54.708) ; v1(57.792,54.708) 61.729,54.708 65.259,51.178 73.453,51.178 v1(73.914,51.638)
  Top Layer w0.381: v1(73.914,54.026) 87.608,67.719 U8.15@92.313,67.719
  Bottom Layer w0.305: v1(45.371,46.834) v1(45.371,50.416) ; v1(56.064,54.708) v1(57.792,54.708)
  Bottom Layer w0.381: v1(73.914,51.638) v1(73.914,54.026)
ZIG1_TX: U4.45 U8.14 | length 63.9
  Top Layer w0.229: v1(46.387,46.834) 46.773,46.448 U4.45@46.773,44.888
  Top Layer w0.305: v1(46.387,50.39) 46.387,52.092 48.749,54.454 55.248,54.454 56.01,53.692 v1(56.064,53.692) ; v1(57.792,53.692) 61.681,53.692 64.983,50.39 73.86,50.39 v1(75.108,51.638)
  Top Layer w0.381: v1(75.108,54.026) 87.301,66.219 U8.14@92.313,66.219
  Bottom Layer w0.305: v1(46.387,46.834) v1(46.387,50.39) ; v1(56.064,53.692) v1(57.792,53.692)
  Bottom Layer w0.381: v1(75.108,51.638) v1(75.108,54.026)
ZIG2_RX: U4.13 U11.15 | length 66.1
  Top Layer w0.229: U4.13@57.823,37.338 59.319,37.338 v1(61.094,39.113) ; v1(61.417,43.078) 89.535,43.078 94.742,48.285 v1(103.048,48.285)
  Top Layer w0.381: v1(105.969,48.285) 107.01,49.327 112.954,49.327 114.709,51.082 U11.15@114.709,52.477
  Bottom Layer w0.229: v1(61.094,39.113) 61.424,39.443 61.424,43.072 v1(61.417,43.078) ; v1(103.048,48.285) v1(105.969,48.285)
ZIG2_TX: U4.12 U11.14 | length 65.4
  Top Layer w0.229: U4.12@57.823,36.838 59.886,36.838 v1(62.186,39.138) ; v1(62.186,43.834) 89.224,43.834 94.437,49.047 v1(102.362,49.047)
  Top Layer w0.381: v1(105.385,49.047) 106.528,50.19 112.268,50.19 113.209,51.132 U11.14@113.209,52.477
  Bottom Layer w0.229: v1(62.186,39.138) v1(62.186,43.834) ; v1(102.362,49.047) v1(105.385,49.047)
pads on no net: J1.3 J3.3 J4.1 J4.5 J6.2 J11.5 MARK1. MARK2. MARK3. U4.9 U4.14 U4.15 U4.16 U4.17 U4.24 U4.27 U4.28 U4.29 U4.35 U4.36 U4.37 U4.38 U4.39 U4.40 U4.41 U4.42 U4.47 U4.48 U4.51 U4.52 U4.53 U4.54 U4.55 U4.56 U4.57 U4.58 U4.59 U4.60 U4.66 U4.67 U4.68 U4.70 U4.72 U4.74 U4.75 U4.76 U4.77 U4.78 U4.79 U4.82 U4.83 U4.94 U4.95 U4.96 U4.97 U8.0 U8.1 U8.2 U8.3 U8.4 U8.5 U8.10 U8.11 U8.12 U8.13 U9.2 U9.3 U9.4 U9.5 U9.6 U9.7 U9.14 U9.15 U9.16 U9.17 U9.19 U9.21 U9.22 U10.1 U10.16 U11.0 U11.1 U11.2 U11.3 U11.4 U11.5 U11.10 U11.11 U11.12 U11.13 U13.5 U13.6 U13.7 Y1.2 Y1.4

## Polygon pours and split planes (outlines as drawn)
GND on Bottom Layer "Bottom Layer-GND" (hatched 90Degree grid 0.889 track 0.381, remove dead copper, pour order 0): 125,78 125,0 20.022,0 20.022,12.646 15.678,12.646 15.678,13.408 15.678,19.301 -0.019,19.301 -0.019,57.731 13.153,57.731 13.153,59.356 18.066,59.356 29.12,59.356 29.12,67.219 37.04,67.219 37.04,78

## Keep-outs
Keep-Out Layer:
  the board outline again, w0.152

## Other copper
Top Layer:
  rectangle net GND: 22.003,55.445 24.873,57.172
  rectangle net GND: 6.204,47.469 8.947,49.323
  rectangle net GND: 29.242,60.88 33.89,63.243
  rectangle net GND: 38.03,57.223 40.012,58.391
  rectangle net GND: 110.598,37.868 111.538,39.925
  rectangle net GND: 114.078,17.7 115.272,20.494
  rectangle net GND: 20.276,9.928 21.343,11.376
  rectangle net GND: 20.454,16.989 21.495,18.72
  rectangle net GND: 7.83,27.2 9.608,28.521
  rectangle net VCC_+5V: 24.543,18.158 25.407,19.351
  rectangle net VCC_+12V: 18.498,47.469 20.2,48.333
  rectangle net NetQ2_3: 21.089,42.694 23.171,43.558
  rectangle net NetQ6_1: 31.35,68.373 33.027,69.008
  rectangle net GND: 29.953,62.1 31.172,63.217
  rectangle net VCC_+12V: 30.004,65.071 31.249,66.189
  rectangle net VIN_+12V: 15.501,65.122 18.472,66.113
  rectangle net PWR_GND: 13.57,62.049 18.498,63.141
  rectangle net PE_GNDA: 2.394,67.789 3.613,72.234
  rectangle net NetR65_2: 6.103,60.169 7.55,61.947
  rectangle net PWR_GND: 10.141,61.922 11.233,64.563
  region net NetR46_2: 117.37,12.04 117.37,13.411 115.821,13.411 115.821,12.04
  region net VCC_+3.3V: 68.655,53.641 68.655,58.112 67.538,58.112 67.538,53.641
  region net VCC_+5V: 58.617,61.878 52.115,61.878 52.115,60.71 58.617,60.71
  region net NetC31_1: 49.067,64.545 47.543,64.545 47.543,62.056 49.067,62.056
  region net GND: 43.885,69.574 42.31,69.574 42.31,68.297 43.885,68.297
  region net GND: 39.008,62.564 37.205,62.564 37.205,61.091 39.008,61.091
  region net GND: 71.729,62.963 71.729,65.148 70.484,65.148 70.484,62.963
  region net GND: 59.557,58.627 57.931,58.627 57.931,57.001 59.557,57.001
  region net GND: 57.373,59.033 53.613,59.033 53.613,57.916 57.373,57.916
  rectangle net VCC_+5V: 107.906,20.24 108.922,22.044
  rectangle net VIN_+12V: 15.12,65.656 17.126,68.45
  rectangle net VCC_+3.3V: 103.734,46.101 104.699,51.918
  pour cut-out: 125,0 125,17.472 113.153,17.472 113.153,0
  pour cut-out: 125,78 125,70.075 72.701,70.075 72.701,78
  pour cut-out: 119.409,23.053 113.643,23.053 113.643,27.6 119.434,27.6
  pour cut-out: 57.258,62.172 57.258,68.253 52.648,68.253 52.648,62.183
  pour cut-out: 52.75,57.636 52.75,62.64 46.832,62.64 46.832,57.636
  pour cut-out: 40.977,58.556 48.546,58.556 48.546,65.135 40.977,65.135
  pour cut-out: 67.304,67.541 68.732,67.541 68.732,70.075 67.309,70.075
  pour cut-out: 125,78 125,52.451 108.077,52.451 108.077,78.003
Bottom Layer:
  pour cut-out: 0,49.679 11.556,49.679 11.556,59.862 0,59.862
  pour cut-out: 125,0 125,17.472 113.153,17.472 113.153,0
  pour cut-out: 125,78 125,70.075 72.701,70.075 72.701,78
  pour cut-out: 52.75,57.636 52.75,62.64 46.832,62.64 46.832,57.636
  pour cut-out: 125,78 125,52.451 108.077,52.451 108.077,78.003

## Silkscreen, mask and mechanical layers (free items; w line width, h text height)
Top Overlay:
  lines w0.203: 53.98,23.146 50.724,23.146 50.724,21.311 51.41,21.311 65.303,21.311 65.303,23.146 62.13,23.146
  lines w0.254: -2.616,1.524 -2.108,0 ; -2.616,76.476 -2.108,78 ; -2.362,0 -1.854,0 ; -2.362,78 -1.854,78 ; -2.108,33.896 -2.108,0 ; -2.108,44.104 -2.108,78 ; -1.6,1.524 -2.108,0 ; -1.6,76.476 -2.108,78 ; 0.025,-2.261 0.025,-1.753 ; 1.549,-2.515 0.025,-2.007 ; 1.549,-1.499 0.025,-2.007 ; 56.787,-2.007 0.025,-2.007 ; 68.264,-2.007 125.025,-2.007 ; 123.501,-2.515 125.025,-2.007 ; 123.501,-1.499 125.025,-2.007 ; 125.025,-2.261 125.025,-1.753
  text "Y1813-MCU-V1.0" at 45.015,73.834 h1.52
  text "78 (mm)" at -1.194,34.15 h1.52 r90
  text "TDI" at 51.283,21.793 h0.76
  text "TDO" at 53.589,21.793 h0.76
  text "TMS" at 55.895,21.793 h0.76
  text "TCK" at 58.202,21.793 h0.76
  text "GND" at 60.508,21.793 h0.76
  text "+5V" at 62.89,21.793 h0.76
  text "125 (mm)" at 57.041,-2.921 h1.52
Bottom Overlay:
  text "+24V控制接口" at 25.813,72.844 h2.54 r180
  text "+12V接口" at 13.392,70.837 h2.54 r180
  text "电磁阀接口" at 9.836,59.712 h2.54 r90
  text "RFID接口" at 120.599,45.263 h2.54 r90
  text "扩展板接口" at 7.271,43.126 h2.54 r90
  text "调试接口" at 117.101,27.733 h2.54 r90
  text "可调阀接口" at 8.058,24.914 h2.54 r90
  text "+24V接口" at 9.989,9.014 h2.54 r180
  text "温度接口" at 40.596,7.083 h2.54 r180
  text "风机驱动接口" at 22.206,7.058 h2.54 r180
  text "脚踏接口" at 52.661,7.032 h2.54 r180
  text "颗粒传感接口" at 100.184,7.007 h2.54 r180
  text "开关接口" at 87.51,6.956 h2.54 r180
  text "液晶接口" at 70.949,6.778 h2.54 r180
Mechanical 1:
  lines w0.152: 0,70 0,0 125,0 125,78 0,78
Mechanical 15:
  circle w0.152: c4.057,4.002 r3.5
  circle w0.152: c4.057,74.002 r3.5
  circle w0.152: c121,4 r3.5
  circle w0.152: c97.949,74 r3.5

## Text inside footprints (layer, text, board x,y; h text height)
JT2: Top Overlay "1" at 122.34,18.39 h1 r90; Top Overlay "6" at 119.724,26.62 h1 r90
U8: Mechanical 10 "2" at 73.551,66.219 h0.64; Mechanical 10 "6" at 73.551,60.219 h0.64; Mechanical 10 "5" at 73.551,61.719 h0.64; Mechanical 10 "4" at 73.551,63.219 h0.64; Mechanical 10 "1" at 73.551,67.719 h0.64; Mechanical 10 "3" at 73.551,64.719 h0.64
U11: Mechanical 10 "2" at 113.209,71.239 h0.64 r270; Mechanical 10 "6" at 107.209,71.239 h0.64 r270; Mechanical 10 "5" at 108.709,71.239 h0.64 r270; Mechanical 10 "4" at 110.209,71.239 h0.64 r270; Mechanical 10 "1" at 114.709,71.239 h0.64 r270; Mechanical 10 "3" at 111.709,71.239 h0.64 r270